# Altium PCB NURIP.PcbDoc (part 11 of 14) (continued)
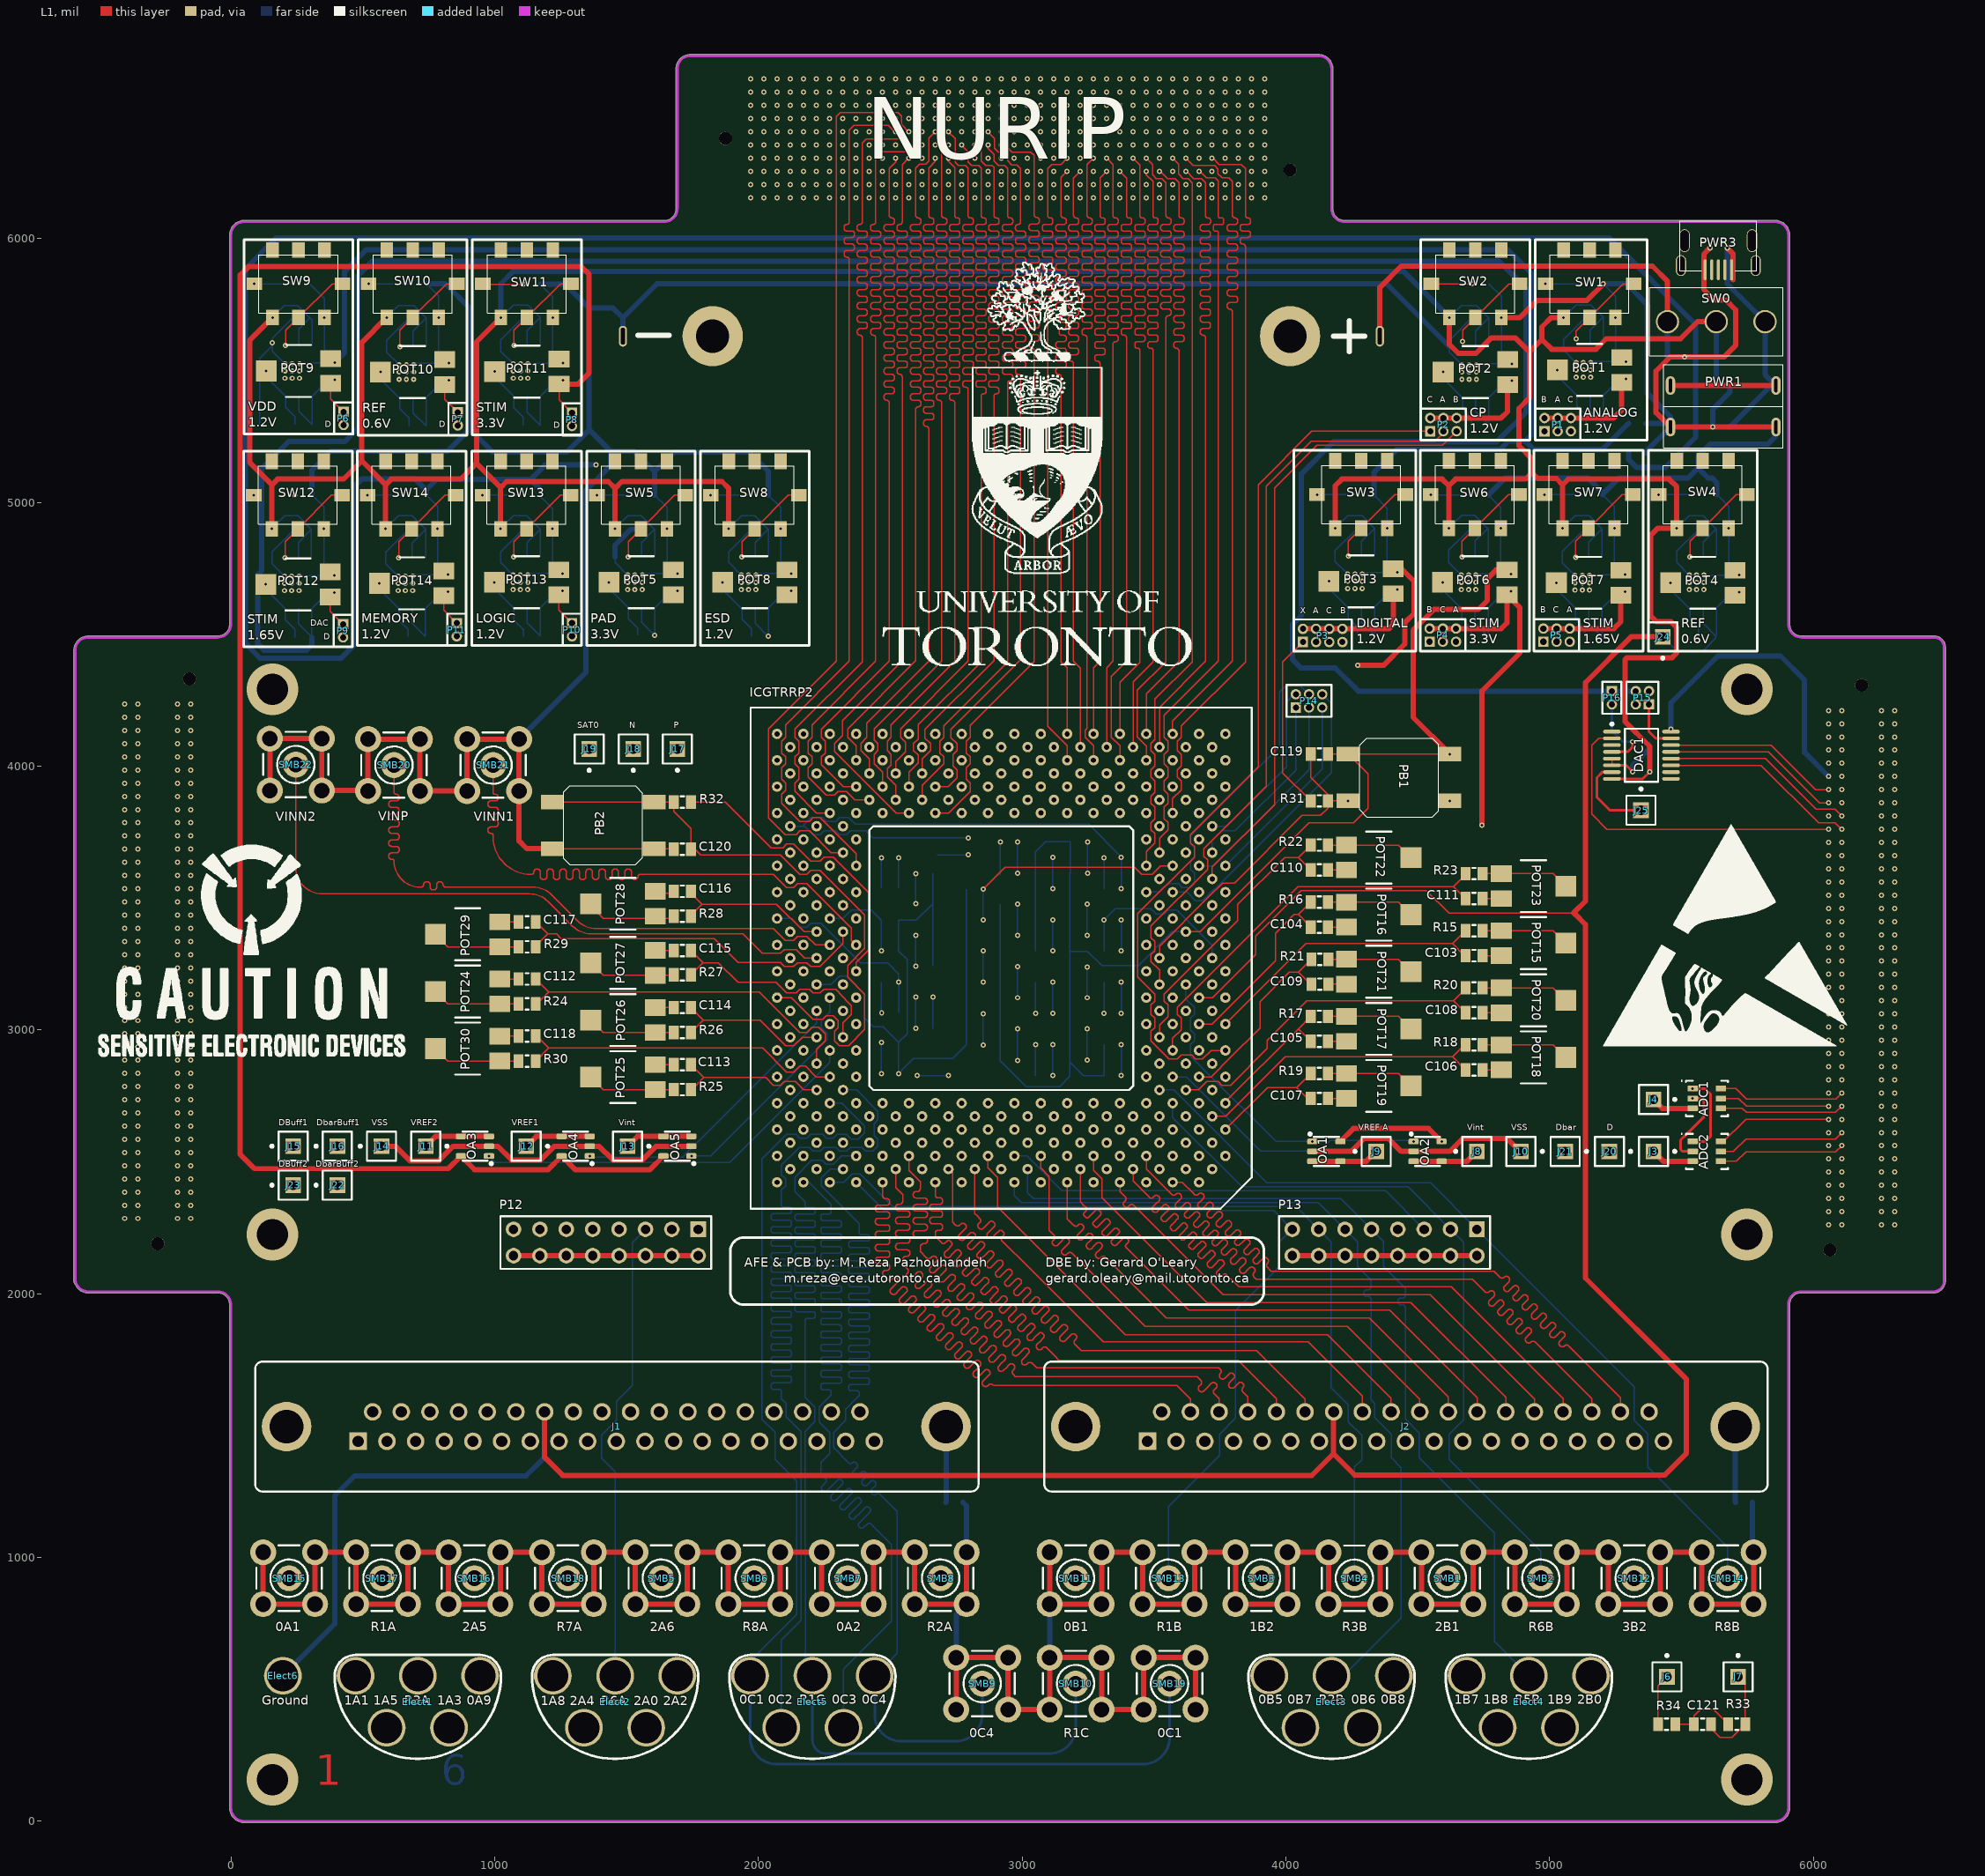
[diagram p0: L1 view]
## Nets (pads, with @x,y where several pads share a name; then routed paths per layer and width w, separated by ;. In a path a pad name is that pad's centre, name@x,y a point inside that pad or via, vN(x,y) a via of type N, cw(c..) or ccw(c..) an arc to the next point about the centre after c; other vN are vias at no path point) (continued)
OFF_MEM_DOUT(4): FMC1.G10 ICGTRRP2.AR23 | length 2949.1
  L3 w5: v1(2420.24,6304.92) 2435.24,6304.92 2459.88,6280.28 2484.25,6280.28 2496.06,6268.46 2496.06,6090.55 2496.06,6086.83 ccw(c2504.68,6086.83) 2504.68,6078.21 cw(c2504.68,6067.1) 2515.79,6067.1 2515.79,6064.63 cw(c2504.68,6064.63) 2504.68,6053.52 2496.06,6053.52 2487.72,6053.52 ccw(c2487.72,6042.42) 2476.62,6042.42 2476.62,6039.95 ccw(c2487.72,6039.95) 2487.72,6028.84 2496.06,6028.84 2504.4,6028.84 cw(c2504.4,6017.73) 2515.51,6017.73 2515.51,6015.26 cw(c2504.4,6015.26) 2504.4,6004.15 2496.06,6004.15 2487.72,6004.15 ccw(c2487.72,5993.05) 2476.62,5993.05 2476.62,5990.58 ccw(c2487.72,5990.58) 2487.72,5979.47 2496.06,5979.47 2504.4,5979.47 cw(c2504.4,5968.36) 2515.51,5968.36 2515.51,5965.89 cw(c2504.4,5965.89) 2504.4,5954.78 2496.06,5954.78 2487.72,5954.78 ccw(c2487.72,5943.68) 2476.62,5943.68 2476.62,5941.21 ccw(c2487.72,5941.21) 2487.72,5930.1 2496.06,5930.1 2504.4,5930.1 cw(c2504.4,5918.99) 2515.51,5918.99 2515.51,5916.52 cw(c2504.4,5916.52) 2504.4,5905.41 2496.06,5905.41 2487.72,5905.41 ccw(c2487.72,5894.31) 2476.62,5894.31 2476.62,5891.84 ccw(c2487.72,5891.84) 2487.72,5880.73 2496.06,5880.73 2504.4,5880.73 cw(c2504.4,5869.62) 2515.51,5869.62 2515.51,5867.15 cw(c2504.4,5867.15) 2504.4,5856.04 2496.06,5856.04 2487.72,5856.04 ccw(c2487.72,5844.94) 2476.62,5844.94 2476.62,5842.47 ccw(c2487.72,5842.47) 2487.72,5831.36 2496.06,5831.36 2504.4,5831.36 cw(c2504.4,5820.25) 2515.51,5820.25 2515.51,5817.78 cw(c2504.4,5817.78) 2504.4,5806.67 2496.06,5806.67 2487.72,5806.67 ccw(c2487.72,5795.57) 2476.62,5795.57 2476.62,5793.1 ccw(c2487.72,5793.1) 2487.72,5781.99 2496.06,5781.99 2504.4,5781.99 cw(c2504.4,5770.88) 2515.51,5770.88 2515.51,5768.41 cw(c2504.4,5768.41) 2504.4,5757.3 2496.06,5757.3 2487.72,5757.3 ccw(c2487.72,5746.2) 2476.62,5746.2 2476.62,5743.73 ccw(c2487.72,5743.73) 2487.72,5732.62 2496.06,5732.62 2504.4,5732.62 cw(c2504.4,5721.51) 2515.51,5721.51 2515.51,5719.04 cw(c2504.4,5719.04) 2504.4,5707.93 2496.06,5707.93 2487.72,5707.93 ccw(c2487.72,5696.83) 2476.62,5696.83 2476.62,5694.36 ccw(c2487.72,5694.36) 2487.72,5683.25 2496.06,5683.25 2504.4,5683.25 cw(c2504.4,5672.14) 2515.51,5672.14 2515.51,5669.67 cw(c2504.4,5669.67) 2504.4,5658.56 2496.06,5658.56 2487.72,5658.56 ccw(c2487.72,5647.46) 2476.62,5647.46 2476.62,5644.99 ccw(c2487.72,5644.99) 2487.72,5633.88 2496.06,5633.88 2504.4,5633.88 cw(c2504.4,5622.77) 2515.51,5622.77 2515.51,5620.3 cw(c2504.4,5620.3) 2504.4,5609.19 2496.06,5609.19 2487.72,5609.19 ccw(c2487.72,5598.09) 2476.62,5598.09 2476.62,5595.62 ccw(c2487.72,5595.62) 2487.72,5584.51 2496.06,5584.51 2504.4,5584.51 cw(c2504.4,5573.4) 2515.51,5573.4 2515.51,5570.93 cw(c2504.4,5570.93) 2504.4,5559.82 2496.06,5559.82 2487.72,5559.82 ccw(c2487.72,5548.72) 2476.62,5548.72 2476.62,5546.25 ccw(c2487.72,5546.25) 2487.72,5535.14 2487.46,5535.14 cw(c2487.44,5526.52) 2496.06,5526.52 2496.06,5474.41 2496.06,5222.44 2670.71,5047.8 ICGTRRP2.AR23@2670.71,4122.2
OFF_MEM_DOUT(5): FMC1.E9 ICGTRRP2.AN23 | length 2949.4
  L3 w5: v1(2370.24,6404.92) 2395.67,6379.49 2395.67,6340.55 2407.48,6328.74 2528.24,6328.74 2542.74,6314.24 2542.74,6313.56 2545.28,6311.02 2545.28,6090.55 2545.28,6086.83 ccw(c2553.89,6086.83) 2553.89,6078.21 cw(c2553.89,6067.1) 2565,6067.1 2565,6064.63 cw(c2553.89,6064.63) 2553.89,6053.52 2545.28,6053.52 2536.99,6053.52 ccw(c2536.99,6042.42) 2525.89,6042.42 2525.89,6039.95 ccw(c2536.99,6039.95) 2536.99,6028.84 2545.28,6028.84 2553.56,6028.84 cw(c2553.56,6017.73) 2564.67,6017.73 2564.67,6015.26 cw(c2553.56,6015.26) 2553.56,6004.15 2545.28,6004.15 2536.99,6004.15 ccw(c2536.99,5993.05) 2525.89,5993.05 2525.89,5990.58 ccw(c2536.99,5990.58) 2536.99,5979.47 2545.28,5979.47 2553.56,5979.47 cw(c2553.56,5968.36) 2564.67,5968.36 2564.67,5965.89 cw(c2553.56,5965.89) 2553.56,5954.78 2545.28,5954.78 2536.99,5954.78 ccw(c2536.99,5943.68) 2525.89,5943.68 2525.89,5941.21 ccw(c2536.99,5941.21) 2536.99,5930.1 2545.28,5930.1 2553.56,5930.1 cw(c2553.56,5918.99) 2564.67,5918.99 2564.67,5916.52 cw(c2553.56,5916.52) 2553.56,5905.41 2545.28,5905.41 2536.99,5905.41 ccw(c2536.99,5894.31) 2525.89,5894.31 2525.89,5891.84 ccw(c2536.99,5891.84) 2536.99,5880.73 2545.28,5880.73 2553.56,5880.73 cw(c2553.56,5869.62) 2564.67,5869.62 2564.67,5867.15 cw(c2553.56,5867.15) 2553.56,5856.04 2545.28,5856.04 2536.99,5856.04 ccw(c2536.99,5844.94) 2525.89,5844.94 2525.89,5842.47 ccw(c2536.99,5842.47) 2536.99,5831.36 2545.28,5831.36 2553.56,5831.36 cw(c2553.56,5820.25) 2564.67,5820.25 2564.67,5817.78 cw(c2553.56,5817.78) 2553.56,5806.67 2545.28,5806.67 2536.99,5806.67 ccw(c2536.99,5795.57) 2525.89,5795.57 2525.89,5793.1 ccw(c2536.99,5793.1) 2536.99,5781.99 ; 2536.66,5781.99 cw(c2536.66,5773.37) 2545.28,5773.37 2545.28,5631.89 2545.28,5228.35 2702.89,5070.73 2702.89,4105.57 2670.71,4073.39 ICGTRRP2.AN23@2670.71,4022.2 ; 2536.69,5781.99 2536.97,5781.99
OFF_MEM_DOUT(6): FMC1.G9 ICGTRRP2.AP24 | length 2946.1
  L3 w5: v1(2370.24,6304.92) 2373.27,6304.92 2397.54,6280.65 2426.32,6280.65 2444.88,6262.1 2444.88,6090.55 2444.88,6086.83 ccw(c2453.5,6086.83) 2453.5,6078.21 cw(c2453.5,6067.1) 2464.61,6067.1 2464.61,6064.63 cw(c2453.5,6064.63) 2453.5,6053.52 2444.88,6053.52 2436.26,6053.52 ccw(c2436.26,6042.42) 2425.16,6042.42 2425.15,6039.95 ccw(c2436.26,6039.95) 2436.26,6028.84 2444.88,6028.84 2453.5,6028.84 cw(c2453.5,6017.73) 2464.61,6017.73 2464.61,6015.26 cw(c2453.5,6015.26) 2453.5,6004.15 2444.88,6004.15 2436.26,6004.15 ccw(c2436.26,5993.05) 2425.16,5993.05 2425.15,5990.58 ccw(c2436.26,5990.58) 2436.26,5979.47 2444.88,5979.47 2453.5,5979.47 cw(c2453.5,5968.36) 2464.61,5968.36 2464.61,5965.89 cw(c2453.5,5965.89) 2453.5,5954.78 2444.88,5954.78 2436.26,5954.78 ccw(c2436.26,5943.68) 2425.16,5943.68 2425.15,5941.21 ccw(c2436.26,5941.21) 2436.26,5930.1 2444.88,5930.1 2453.5,5930.1 cw(c2453.5,5918.99) 2464.61,5918.99 2464.61,5916.52 cw(c2453.5,5916.52) 2453.5,5905.41 2444.88,5905.41 2436.26,5905.41 ccw(c2436.26,5894.31) 2425.16,5894.31 2425.15,5891.84 ccw(c2436.26,5891.84) 2436.26,5880.73 2444.88,5880.73 2453.5,5880.73 cw(c2453.5,5869.62) 2464.61,5869.62 2464.61,5867.15 cw(c2453.5,5867.15) 2453.5,5856.04 2444.88,5856.04 2436.26,5856.04 ccw(c2436.26,5844.94) 2425.16,5844.94 2425.15,5842.47 ccw(c2436.26,5842.47) 2436.26,5831.36 2444.88,5831.36 2453.5,5831.36 cw(c2453.5,5820.25) 2464.61,5820.25 2464.61,5817.78 cw(c2453.5,5817.78) 2453.5,5806.67 2444.88,5806.67 2436.26,5806.67 ccw(c2436.26,5795.57) 2425.16,5795.57 2425.15,5793.1 ccw(c2436.26,5793.1) 2436.26,5781.99 2444.88,5781.99 2453.5,5781.99 cw(c2453.5,5770.88) 2464.61,5770.88 2464.61,5768.41 cw(c2453.5,5768.41) 2453.5,5757.3 2444.88,5757.3 2436.26,5757.3 ccw(c2436.26,5746.2) 2425.16,5746.2 2425.15,5743.73 ccw(c2436.26,5743.73) 2436.26,5732.62 2444.88,5732.62 2453.5,5732.62 cw(c2453.5,5721.51) 2464.61,5721.51 2464.61,5719.04 cw(c2453.5,5719.04) 2453.5,5707.93 2444.88,5707.93 2436.26,5707.93 ccw(c2436.26,5696.83) 2425.16,5696.83 2425.15,5694.36 ccw(c2436.26,5694.36) 2436.26,5683.25 2444.88,5683.25 2453.5,5683.25 cw(c2453.5,5672.14) 2464.61,5672.14 2464.61,5669.67 cw(c2453.5,5669.67) 2453.5,5658.56 2444.88,5658.56 2436.26,5658.56 ccw(c2436.26,5647.46) 2425.16,5647.46 2425.15,5644.99 ccw(c2436.26,5644.99) 2436.26,5633.88 2444.88,5633.88 2453.5,5633.88 cw(c2453.5,5622.77) 2464.61,5622.77 2464.61,5620.3 cw(c2453.5,5620.3) 2453.5,5609.19 2444.88,5609.19 2436.26,5609.19 ccw(c2436.26,5598.09) 2425.16,5598.09 2425.15,5595.62 ccw(c2436.26,5595.62) 2436.26,5584.51 cw(c2436.26,5575.89) 2444.88,5575.89 2444.88,5466.54 2444.88,5224.41 2620.71,5048.58 ICGTRRP2.AP24@2620.71,4072.2
OFF_MEM_DOUT(7): FMC1.E7 ICGTRRP2.AR25 | length 2948.3
  L3 w5: v1(2270.24,6404.92) 2295.28,6379.88 2295.28,6348.06 2314.6,6328.74 2332.68,6328.74 2344.49,6316.93 2344.49,6291.34 2358.41,6277.42 2379.56,6277.42 2393.7,6263.28 2393.7,6090.55 2393.7,6088.06 ccw(c2403.55,6088.06) 2403.55,6078.21 cw(c2403.55,6068.33) 2413.43,6068.33 2413.43,6063.4 cw(c2403.55,6063.4) 2403.55,6053.52 2393.7,6053.52 2383.85,6053.52 ccw(c2383.85,6043.65) 2373.97,6043.65 2373.97,6038.71 ccw(c2383.85,6038.71) 2383.85,6028.84 2393.7,6028.84 2403.55,6028.84 cw(c2403.55,6018.96) 2413.43,6018.96 2413.43,6014.03 cw(c2403.55,6014.03) 2403.55,6004.15 2393.7,6004.15 2383.85,6004.15 ccw(c2383.85,5994.28) 2373.97,5994.28 2373.97,5989.34 ccw(c2383.85,5989.34) 2383.85,5979.47 2393.7,5979.47 2403.55,5979.47 cw(c2403.55,5969.59) 2413.43,5969.59 2413.43,5964.66 cw(c2403.55,5964.66) 2403.55,5954.78 2393.7,5954.78 2383.85,5954.78 ccw(c2383.85,5944.91) 2373.97,5944.91 2373.97,5939.97 ccw(c2383.85,5939.97) 2383.85,5930.1 2393.7,5930.1 2403.55,5930.1 cw(c2403.55,5920.22) 2413.43,5920.22 2413.43,5915.29 cw(c2403.55,5915.29) 2403.55,5905.41 2393.7,5905.41 2383.85,5905.41 ccw(c2383.85,5895.54) 2373.97,5895.54 2373.97,5890.6 ccw(c2383.85,5890.6) 2383.85,5880.73 2393.7,5880.73 2403.55,5880.73 cw(c2403.55,5870.85) 2413.43,5870.85 2413.43,5865.92 cw(c2403.55,5865.92) 2403.55,5856.04 2393.7,5856.04 2383.85,5856.04 ccw(c2383.85,5846.17) 2373.97,5846.17 2373.97,5841.23 ccw(c2383.85,5841.23) 2383.85,5831.36 2393.7,5831.36 2403.55,5831.36 cw(c2403.55,5821.48) 2413.43,5821.48 2413.43,5816.55 cw(c2403.55,5816.55) 2403.55,5806.67 2393.7,5806.67 2383.85,5806.67 ccw(c2383.85,5796.8) 2373.97,5796.8 2373.97,5791.86 ccw(c2383.85,5791.86) 2383.85,5781.99 2393.7,5781.99 2403.55,5781.99 cw(c2403.55,5772.11) 2413.43,5772.11 2413.43,5767.18 cw(c2403.55,5767.18) 2403.55,5757.3 2393.7,5757.3 2383.85,5757.3 ccw(c2383.85,5747.43) 2373.97,5747.43 2373.97,5742.49 ccw(c2383.85,5742.49) 2383.85,5732.62 2393.7,5732.62 2403.55,5732.62 cw(c2403.55,5722.74) 2413.43,5722.74 2413.43,5717.81 cw(c2403.55,5717.81) 2403.55,5707.93 2393.7,5707.93 2383.85,5707.93 ccw(c2383.85,5698.06) 2373.97,5698.06 2373.97,5693.12 ccw(c2383.85,5693.12) 2383.85,5683.25 2393.7,5683.25 2403.55,5683.25 cw(c2403.55,5673.37) 2413.43,5673.37 2413.43,5668.44 cw(c2403.55,5668.44) 2403.55,5658.56 ccw(c2403.55,5648.71) 2393.7,5648.71 2393.7,5600.39 2393.7,5224.41 2570.71,5047.4 ICGTRRP2.AR25@2570.71,4122.2
OFF_MEM_DOUT(8): FMC1.F7 ICGTRRP2.AN25 | length 2948.8
  L3 w5: v1(2270.24,6354.92) 2270.24,6351.89 2295.28,6326.85 2295.28,6295.28 2312.99,6277.56 2334.65,6277.56 2344.49,6267.72 2344.49,6090.55 2344.49,6088.06 ccw(c2354.34,6088.06) 2354.34,6078.21 cw(c2354.34,6068.33) 2364.22,6068.33 2364.22,6063.4 cw(c2354.34,6063.4) 2354.34,6053.52 2344.49,6053.52 2335.08,6053.52 ccw(c2335.08,6043.65) 2325.21,6043.65 2325.21,6038.71 ccw(c2335.08,6038.71) 2335.08,6028.84 2344.49,6028.84 2354.24,6028.84 cw(c2354.24,6018.96) 2364.11,6018.96 2364.11,6014.03 cw(c2354.24,6014.03) 2354.24,6004.15 2344.49,6004.15 2335.08,6004.15 ccw(c2335.08,5994.28) 2325.21,5994.28 2325.21,5989.34 ccw(c2335.08,5989.34) 2335.08,5979.47 2344.49,5979.47 2354.24,5979.47 cw(c2354.24,5969.59) 2364.11,5969.59 2364.11,5964.66 cw(c2354.24,5964.66) 2354.24,5954.78 2344.49,5954.78 2335.08,5954.78 ccw(c2335.08,5944.91) 2325.21,5944.91 2325.21,5939.97 ccw(c2335.08,5939.97) 2335.08,5930.1 2344.49,5930.1 2354.24,5930.1 cw(c2354.24,5920.22) 2364.11,5920.22 2364.11,5915.29 cw(c2354.24,5915.29) 2354.24,5905.41 2344.49,5905.41 2335.08,5905.41 ccw(c2335.08,5895.54) 2325.21,5895.54 2325.21,5890.6 ccw(c2335.08,5890.6) 2335.08,5880.73 2344.49,5880.73 2354.24,5880.73 cw(c2354.24,5870.85) 2364.11,5870.85 2364.11,5865.92 cw(c2354.24,5865.92) 2354.24,5856.04 2344.49,5856.04 2335.08,5856.04 ccw(c2335.08,5846.17) 2325.21,5846.17 2325.21,5841.23 ccw(c2335.08,5841.23) 2335.08,5831.36 2344.49,5831.36 2354.24,5831.36 cw(c2354.24,5821.48) 2364.11,5821.48 2364.11,5816.55 cw(c2354.24,5816.55) 2354.24,5806.67 2344.49,5806.67 2335.08,5806.67 ccw(c2335.08,5796.8) 2325.21,5796.8 2325.21,5791.86 ccw(c2335.08,5791.86) 2335.08,5781.99 2344.49,5781.99 2354.24,5781.99 cw(c2354.24,5772.11) 2364.11,5772.11 2364.11,5767.18 cw(c2354.24,5767.18) 2354.24,5757.3 2344.49,5757.3 2335.08,5757.3 ccw(c2335.08,5747.43) 2325.21,5747.43 2325.21,5742.49 ccw(c2335.08,5742.49) 2335.08,5732.62 2344.49,5732.62 2354.24,5732.62 cw(c2354.24,5722.74) 2364.11,5722.74 2364.11,5717.81 cw(c2354.24,5717.81) 2354.24,5707.93 2344.49,5707.93 2335.08,5707.93 ccw(c2335.08,5698.06) 2325.21,5698.06 2325.21,5693.12 ccw(c2335.08,5693.12) 2335.08,5683.25 2334.99,5683.25 cw(c2334.98,5673.74) 2344.49,5673.74 2344.49,5649.61 2344.49,5222.44 2538.52,5028.41 2538.52,4108.87 2570.71,4076.69 ICGTRRP2.AN25@2570.71,4022.2
OFF_MEM_DOUT(9): FMC1.G7 ICGTRRP2.AP26 | length 2947.6
  L3 w5: v1(2270.24,6304.92) 2270.24,6294.72 2295.28,6269.69 2295.28,6088.58 2295.28,6086.09 ccw(c2305.13,6086.09) 2305.13,6076.24 cw(c2305.13,6066.37) 2315,6066.37 2315,6061.43 cw(c2305.13,6061.43) 2305.13,6051.56 2295.28,6051.56 2285.42,6051.56 ccw(c2285.42,6041.68) 2275.55,6041.68 2275.55,6036.74 ccw(c2285.42,6036.74) 2285.42,6026.87 2295.28,6026.87 2305.13,6026.87 cw(c2305.13,6017) 2315,6017 2315,6012.06 cw(c2305.13,6012.06) 2305.13,6002.19 2295.28,6002.19 2285.42,6002.19 ccw(c2285.42,5992.31) 2275.55,5992.31 2275.55,5987.37 ccw(c2285.42,5987.37) 2285.42,5977.5 2295.28,5977.5 2305.13,5977.5 cw(c2305.13,5967.63) 2315,5967.63 2315,5962.69 cw(c2305.13,5962.69) 2305.13,5952.82 2295.28,5952.82 2285.42,5952.82 ccw(c2285.42,5942.94) 2275.55,5942.94 2275.55,5938 ccw(c2285.42,5938) 2285.42,5928.13 2295.28,5928.13 2305.13,5928.13 cw(c2305.13,5918.26) 2315,5918.26 2315,5913.32 cw(c2305.13,5913.32) 2305.13,5903.45 2295.28,5903.45 2285.42,5903.45 ccw(c2285.42,5893.57) 2275.55,5893.57 2275.55,5888.63 ccw(c2285.42,5888.63) 2285.42,5878.76 2295.28,5878.76 2305.13,5878.76 cw(c2305.13,5868.89) 2315,5868.89 2315,5863.95 cw(c2305.13,5863.95) 2305.13,5854.08 2295.28,5854.08 2285.42,5854.08 ccw(c2285.42,5844.2) 2275.55,5844.2 2275.55,5839.26 ccw(c2285.42,5839.26) 2285.42,5829.39 2295.28,5829.39 2305.13,5829.39 cw(c2305.13,5819.52) 2315,5819.52 2315,5814.58 cw(c2305.13,5814.58) 2305.13,5804.71 2295.28,5804.71 2285.42,5804.71 ccw(c2285.42,5794.83) 2275.55,5794.83 2275.55,5789.89 ccw(c2285.42,5789.89) 2285.42,5780.02 2295.28,5780.02 2305.13,5780.02 cw(c2305.13,5770.15) 2315,5770.15 2315,5765.21 cw(c2305.13,5765.21) 2305.13,5755.34 2295.28,5755.34 2285.42,5755.34 ccw(c2285.42,5745.46) 2275.55,5745.46 2275.55,5740.52 ccw(c2285.42,5740.52) 2285.42,5730.65 2295.28,5730.65 2305.13,5730.65 cw(c2305.13,5720.78) 2315,5720.78 2315,5715.84 cw(c2305.13,5715.84) 2305.13,5705.97 2295.28,5705.97 2285.42,5705.97 ccw(c2285.42,5696.09) 2275.55,5696.09 2275.55,5691.15 ccw(c2285.42,5691.15) 2285.42,5681.28 2295.28,5681.28 2305.13,5681.28 cw(c2305.13,5671.41) 2315,5671.41 2315,5666.47 cw(c2305.13,5666.47) 2305.13,5656.6 2295.28,5656.6 2285.42,5656.6 ccw(c2285.42,5646.72) 2275.55,5646.72 2275.55,5641.78 ccw(c2285.42,5641.78) 2285.42,5631.91 2295.28,5631.91 2305.13,5631.91 cw(c2305.13,5622.04) 2315,5622.04 2315,5617.1 cw(c2305.13,5617.1) 2305.13,5607.23 2295.28,5607.23 2285.42,5607.23 ccw(c2285.42,5597.35) 2275.55,5597.35 2275.55,5592.41 ccw(c2285.42,5592.41) 2285.42,5582.54 cw(c2285.42,5572.69) 2295.28,5572.69 2295.28,5515.75 2295.28,5222.44 2520.71,4997.01 ICGTRRP2.AP26@2520.71,4072.2
OFF_MEM_DOUT(10): FMC1.E6 ICGTRRP2.AR27 | length 2948.6
  L3 w5: v1(2220.24,6404.92) 2196.85,6381.54 2196.85,6090.55 2196.85,6086.85 ccw(c2205.49,6086.85) 2205.49,6078.21 2207.67,6078.21 cw(c2207.67,6069.57) 2216.31,6069.57 2216.31,6062.16 cw(c2207.67,6062.16) 2207.67,6053.52 2196.85,6053.52 2186.03,6053.52 ccw(c2186.03,6044.88) 2177.39,6044.88 2177.39,6037.48 ccw(c2186.03,6037.48) 2186.03,6028.84 2196.85,6028.84 2207.67,6028.84 cw(c2207.67,6020.2) 2216.31,6020.2 2216.31,6012.79 cw(c2207.67,6012.79) 2207.67,6004.15 2196.85,6004.15 2186.03,6004.15 ccw(c2186.03,5995.51) 2177.39,5995.51 2177.39,5988.11 ccw(c2186.03,5988.11) 2186.03,5979.47 2196.85,5979.47 2207.67,5979.47 cw(c2207.67,5970.83) 2216.31,5970.83 2216.31,5963.42 cw(c2207.67,5963.42) 2207.67,5954.78 2196.85,5954.78 2186.03,5954.78 ccw(c2186.03,5946.14) 2177.39,5946.14 2177.39,5938.74 ccw(c2186.03,5938.74) 2186.03,5930.1 2196.85,5930.1 2207.67,5930.1 cw(c2207.67,5921.46) 2216.31,5921.46 2216.31,5914.05 cw(c2207.67,5914.05) 2207.67,5905.41 2196.85,5905.41 2186.03,5905.41 ccw(c2186.03,5896.77) 2177.39,5896.77 2177.39,5889.37 ccw(c2186.03,5889.37) 2186.03,5880.73 2196.85,5880.73 2207.67,5880.73 cw(c2207.67,5872.09) 2216.31,5872.09 2216.31,5864.68 cw(c2207.67,5864.68) 2207.67,5856.04 2196.85,5856.04 2186.03,5856.04 ccw(c2186.03,5847.4) 2177.39,5847.4 2177.39,5840 ccw(c2186.03,5840) 2186.03,5831.36 2196.85,5831.36 2207.67,5831.36 cw(c2207.67,5822.72) 2216.31,5822.72 2216.31,5815.31 cw(c2207.67,5815.31) 2207.67,5806.67 2196.85,5806.67 2186.03,5806.67 ccw(c2186.03,5798.03) 2177.39,5798.03 2177.39,5790.63 ccw(c2186.03,5790.63) 2186.03,5781.99 2196.85,5781.99 2207.67,5781.99 cw(c2207.67,5773.35) 2216.31,5773.35 2216.31,5765.94 cw(c2207.67,5765.94) 2207.67,5757.3 2196.85,5757.3 2186.03,5757.3 ccw(c2186.03,5748.66) 2177.39,5748.66 2177.39,5741.26 ccw(c2186.03,5741.26) 2186.03,5732.62 2196.85,5732.62 2207.67,5732.62 cw(c2207.67,5723.98) 2216.31,5723.98 2216.31,5716.57 cw(c2207.67,5716.57) 2207.67,5707.93 2196.85,5707.93 ccw(c2196.85,5701.75) 2190.66,5701.75 2190.66,5689.44 ccw(c2196.85,5689.44) 2196.85,5683.25 2207.67,5683.25 cw(c2207.67,5674.61) 2216.31,5674.61 2216.31,5667.2 cw(c2207.67,5667.2) 2207.67,5658.56 2196.85,5658.56 ccw(c2196.85,5652) 2190.29,5652 2190.29,5640.44 ccw(c2196.85,5640.44) 2196.85,5633.88 2207.67,5633.88 cw(c2207.67,5625.24) 2216.31,5625.24 2216.31,5617.83 cw(c2207.67,5617.83) 2207.67,5609.19 2205.49,5609.19 ccw(c2205.49,5600.55) 2196.85,5600.55 2196.85,5580.71 2196.85,5226.38 2470.71,4952.52 ICGTRRP2.AR27@2470.71,4122.2
OFF_MEM_DOUT(11): FMC1.F5 ICGTRRP2.AP28 | length 2939.8
  L3 w5: v1(2170.24,6354.92) 2145.67,6330.35 2145.67,6094.49 2145.67,6090.79 ccw(c2154.31,6090.79) 2154.31,6082.15 2156.71,6082.15 cw(c2156.71,6073.51) 2165.35,6073.51 2165.35,6066.1 cw(c2156.71,6066.1) 2156.71,6057.46 2145.67,6057.46 2134.73,6057.46 ccw(c2134.73,6048.82) 2126.09,6048.82 2126.09,6041.42 ccw(c2134.73,6041.42) 2134.73,6032.78 2145.67,6032.78 2156.64,6032.78 cw(c2156.64,6024.14) 2165.28,6024.14 2165.28,6016.73 cw(c2156.64,6016.73) 2156.64,6008.09 2145.67,6008.09 2134.73,6008.09 ccw(c2134.73,5999.45) 2126.09,5999.45 2126.09,5992.05 ccw(c2134.73,5992.05) 2134.73,5983.41 2145.67,5983.41 2156.64,5983.41 cw(c2156.64,5974.77) 2165.28,5974.77 2165.28,5967.36 cw(c2156.64,5967.36) 2156.64,5958.72 2145.67,5958.72 2134.73,5958.72 ccw(c2134.73,5950.08) 2126.09,5950.08 2126.09,5942.68 ccw(c2134.73,5942.68) 2134.73,5934.04 2145.67,5934.04 2156.64,5934.04 cw(c2156.64,5925.4) 2165.28,5925.4 2165.28,5917.99 cw(c2156.64,5917.99) 2156.64,5909.35 2145.67,5909.35 2134.73,5909.35 ccw(c2134.73,5900.71) 2126.09,5900.71 2126.09,5893.31 ccw(c2134.73,5893.31) 2134.73,5884.67 2145.67,5884.67 2156.64,5884.67 cw(c2156.64,5876.03) 2165.28,5876.03 2165.28,5868.62 cw(c2156.64,5868.62) 2156.64,5859.98 2145.67,5859.98 2134.73,5859.98 ccw(c2134.73,5851.34) 2126.09,5851.34 2126.09,5843.94 ccw(c2134.73,5843.94) 2134.73,5835.3 2145.67,5835.3 2156.64,5835.3 cw(c2156.64,5826.66) 2165.28,5826.66 2165.28,5819.25 cw(c2156.64,5819.25) 2156.64,5810.61 2145.67,5810.61 2134.73,5810.61 ccw(c2134.73,5801.97) 2126.09,5801.97 2126.09,5794.57 ccw(c2134.73,5794.57) 2134.73,5785.93 2145.67,5785.93 2156.64,5785.93 cw(c2156.64,5777.29) 2165.28,5777.29 2165.28,5769.88 cw(c2156.64,5769.88) 2156.64,5761.24 2145.67,5761.24 2134.73,5761.24 ccw(c2134.73,5752.6) 2126.09,5752.6 2126.09,5745.2 ccw(c2134.73,5745.2) 2134.73,5736.56 2145.67,5736.56 2156.64,5736.56 cw(c2156.64,5727.92) 2165.28,5727.92 2165.28,5720.51 cw(c2156.64,5720.51) 2156.64,5711.87 2145.67,5711.87 2134.73,5711.87 ccw(c2134.73,5703.23) 2126.09,5703.23 2126.09,5695.83 ccw(c2134.73,5695.83) 2134.73,5687.19 2145.67,5687.19 2156.71,5687.19 cw(c2156.71,5678.55) 2165.35,5678.55 2165.35,5671.14 cw(c2156.71,5671.14) 2156.71,5662.5 2154.31,5662.5 ccw(c2154.31,5653.86) 2145.67,5653.86 2145.67,5604.33 2145.67,5232.28 2420.71,4957.24 ICGTRRP2.AP28@2420.71,4072.2
OFF_MEM_DOUT(12): FMC1.G6 ICGTRRP2.AN27 | length 2947.7
  L3 w5: v1(2220.24,6304.92) 2244.09,6281.06 2244.09,6090.55 2244.09,6086.85 ccw(c2252.73,6086.85) 2252.73,6078.21 2255.18,6078.21 cw(c2255.18,6069.57) 2263.82,6069.57 2263.82,6062.16 cw(c2255.18,6062.16) 2255.18,6053.52 2244.09,6053.52 2234.94,6053.52 ccw(c2234.94,6044.88) 2226.3,6044.88 2226.3,6037.48 ccw(c2234.94,6037.48) 2234.94,6028.84 2244.09,6028.84 2255.18,6028.84 cw(c2255.18,6020.2) 2263.82,6020.2 2263.82,6012.79 cw(c2255.18,6012.79) 2255.18,6004.15 2244.09,6004.15 2234.94,6004.15 ccw(c2234.94,5995.51) 2226.3,5995.51 2226.3,5988.11 ccw(c2234.94,5988.11) 2234.94,5979.47 2244.09,5979.47 2255.18,5979.47 cw(c2255.18,5970.83) 2263.82,5970.83 2263.82,5963.42 cw(c2255.18,5963.42) 2255.18,5954.78 2244.09,5954.78 2234.94,5954.78 ccw(c2234.94,5946.14) 2226.3,5946.14 2226.3,5938.74 ccw(c2234.94,5938.74) 2234.94,5930.1 2244.09,5930.1 2255.18,5930.1 cw(c2255.18,5921.46) 2263.82,5921.46 2263.82,5914.05 cw(c2255.18,5914.05) 2255.18,5905.41 2244.09,5905.41 2234.94,5905.41 ccw(c2234.94,5896.77) 2226.3,5896.77 2226.3,5889.37 ccw(c2234.94,5889.37) 2234.94,5880.73 2244.09,5880.73 2255.18,5880.73 cw(c2255.18,5872.09) 2263.82,5872.09 2263.82,5864.68 cw(c2255.18,5864.68) 2255.18,5856.04 2244.09,5856.04 2234.94,5856.04 ccw(c2234.94,5847.4) 2226.3,5847.4 2226.3,5840 ccw(c2234.94,5840) 2234.94,5831.36 2244.09,5831.36 2255.18,5831.36 cw(c2255.18,5822.72) 2263.82,5822.72 2263.82,5815.31 cw(c2255.18,5815.31) 2255.18,5806.67 2244.09,5806.67 2234.94,5806.67 ccw(c2234.94,5798.03) 2226.3,5798.03 2226.3,5790.63 ccw(c2234.94,5790.63) 2234.94,5781.99 2244.09,5781.99 2255.18,5781.99 cw(c2255.18,5773.35) 2263.82,5773.35 2263.82,5765.94 cw(c2255.18,5765.94) 2255.18,5757.3 2244.09,5757.3 2234.94,5757.3 ccw(c2234.94,5748.66) 2226.3,5748.66 2226.3,5741.26 ccw(c2234.94,5741.26) 2234.94,5732.62 2244.09,5732.62 2255.18,5732.62 cw(c2255.18,5723.98) 2263.82,5723.98 2263.82,5716.57 cw(c2255.18,5716.57) 2255.18,5707.93 2244.09,5707.93 2234.94,5707.93 ccw(c2234.94,5699.29) 2226.3,5699.29 2226.3,5691.89 ccw(c2234.94,5691.89) 2234.94,5683.25 2244.09,5683.25 2255.18,5683.25 cw(c2255.18,5674.61) 2263.82,5674.61 2263.82,5667.2 cw(c2255.18,5667.2) 2255.18,5658.56 2244.09,5658.56 2234.94,5658.56 ccw(c2234.94,5649.92) 2226.3,5649.92 2226.3,5642.52 ccw(c2234.94,5642.52) 2234.94,5633.88 2235.45,5633.88 cw(c2235.45,5625.24) 2244.09,5625.24 2244.09,5594.49 2244.09,5230.31 2502.89,4971.52 2502.89,4108.87 2470.71,4076.69 ICGTRRP2.AN27@2470.71,4022.2
OFF_MEM_DOUT(13): FMC1.F4 ICGTRRP2.AR29 | length 2942.2
  L3 w5: v1(2120.24,6354.92) 2096.46,6331.14 2096.46,6094.49 2096.46,6090.79 ccw(c2105.1,6090.79) 2105.1,6082.15 2107.47,6082.15 cw(c2107.47,6073.51) 2116.11,6073.51 2116.11,6066.1 cw(c2107.47,6066.1) 2107.47,6057.46 2096.46,6057.46 2086.22,6057.46 ccw(c2086.22,6048.82) 2077.58,6048.82 2077.58,6041.42 ccw(c2086.22,6041.42) 2086.22,6032.78 2096.46,6032.78 2107.47,6032.78 cw(c2107.47,6024.14) 2116.11,6024.14 2116.11,6016.73 cw(c2107.47,6016.73) 2107.47,6008.09 2096.46,6008.09 2086.22,6008.09 ccw(c2086.22,5999.45) 2077.58,5999.45 2077.58,5992.05 ccw(c2086.22,5992.05) 2086.22,5983.41 2096.46,5983.41 2107.47,5983.41 cw(c2107.47,5974.77) 2116.11,5974.77 2116.11,5967.36 cw(c2107.47,5967.36) 2107.47,5958.72 2096.46,5958.72 2086.22,5958.72 ccw(c2086.22,5950.08) 2077.58,5950.08 2077.58,5942.68 ccw(c2086.22,5942.68) 2086.22,5934.04 2096.46,5934.04 2107.47,5934.04 cw(c2107.47,5925.4) 2116.11,5925.4 2116.11,5917.99 cw(c2107.47,5917.99) 2107.47,5909.35 2096.46,5909.35 2086.22,5909.35 ccw(c2086.22,5900.71) 2077.58,5900.71 2077.58,5893.31 ccw(c2086.22,5893.31) 2086.22,5884.67 2096.46,5884.67 2107.47,5884.67 cw(c2107.47,5876.03) 2116.11,5876.03 2116.11,5868.62 cw(c2107.47,5868.62) 2107.47,5859.98 2096.46,5859.98 2086.22,5859.98 ccw(c2086.22,5851.34) 2077.58,5851.34 2077.58,5843.94 ccw(c2086.22,5843.94) 2086.22,5835.3 2096.46,5835.3 2107.47,5835.3 cw(c2107.47,5826.66) 2116.11,5826.66 2116.11,5819.25 cw(c2107.47,5819.25) 2107.47,5810.61 2096.46,5810.61 2086.22,5810.61 ccw(c2086.22,5801.97) 2077.58,5801.97 2077.58,5794.57 ccw(c2086.22,5794.57) 2086.22,5785.93 2096.46,5785.93 2107.47,5785.93 cw(c2107.47,5777.29) 2116.11,5777.29 2116.11,5769.88 cw(c2107.47,5769.88) 2107.47,5761.24 2096.46,5761.24 2086.22,5761.24 ccw(c2086.22,5752.6) 2077.58,5752.6 2077.58,5745.2 ccw(c2086.22,5745.2) 2086.22,5736.56 2096.46,5736.56 2107.47,5736.56 cw(c2107.47,5727.92) 2116.11,5727.92 2116.11,5720.51 cw(c2107.47,5720.51) 2107.47,5711.87 2096.46,5711.87 2086.22,5711.87 ccw(c2086.22,5703.23) 2077.58,5703.23 2077.58,5695.83 ccw(c2086.22,5695.83) 2086.22,5687.19 2096.46,5687.19 2107.47,5687.19 cw(c2107.47,5678.55) 2116.11,5678.55 2116.11,5671.14 cw(c2107.47,5671.14) 2107.47,5662.5 2096.46,5662.5 2085.45,5662.5 ccw(c2085.45,5653.86) 2076.81,5653.86 2076.81,5646.46 ccw(c2085.45,5646.46) 2085.45,5637.82 2096.46,5637.82 2107.47,5637.82 cw(c2107.47,5629.18) 2116.11,5629.18 2116.11,5621.77 cw(c2107.47,5621.77) 2107.47,5613.13 2105.1,5613.13 ccw(c2105.1,5604.49) 2096.46,5604.49 2096.46,5529.53 2096.46,5236.22 2370.71,4961.97 ICGTRRP2.AR29@2370.71,4122.2